# Altium PCB mantarray_beta_drv425_Mounting_Holes.PcbDoc (part 1 of 5) (continued)
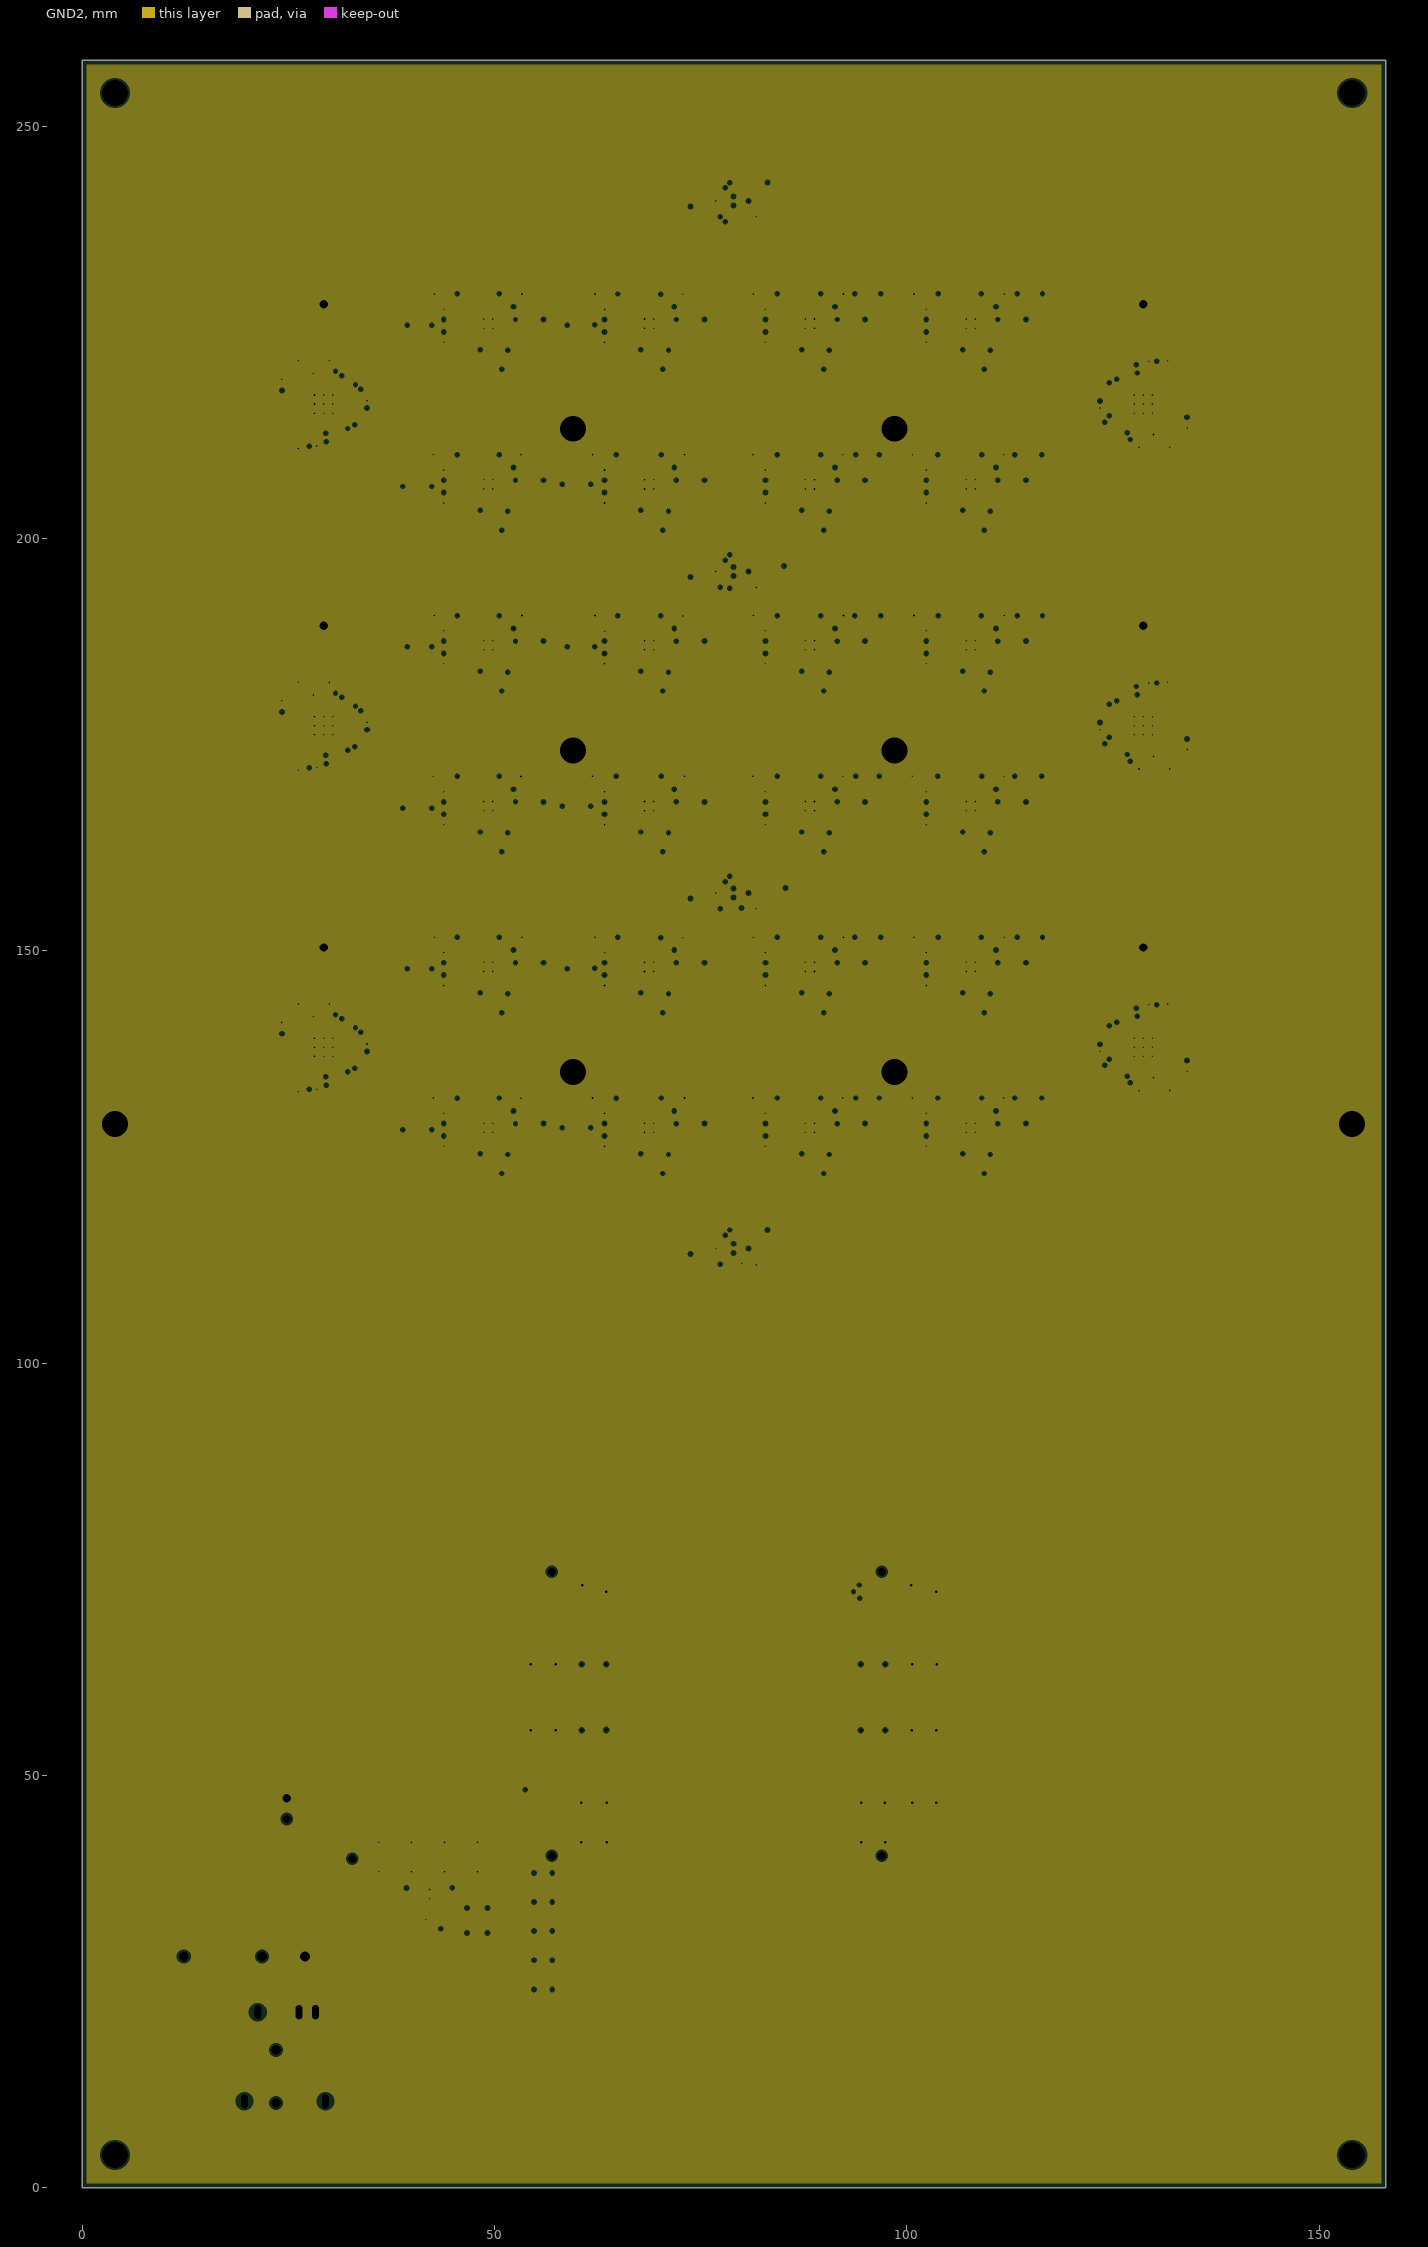
[diagram p4: GND2, clearances drawn from the general rule]
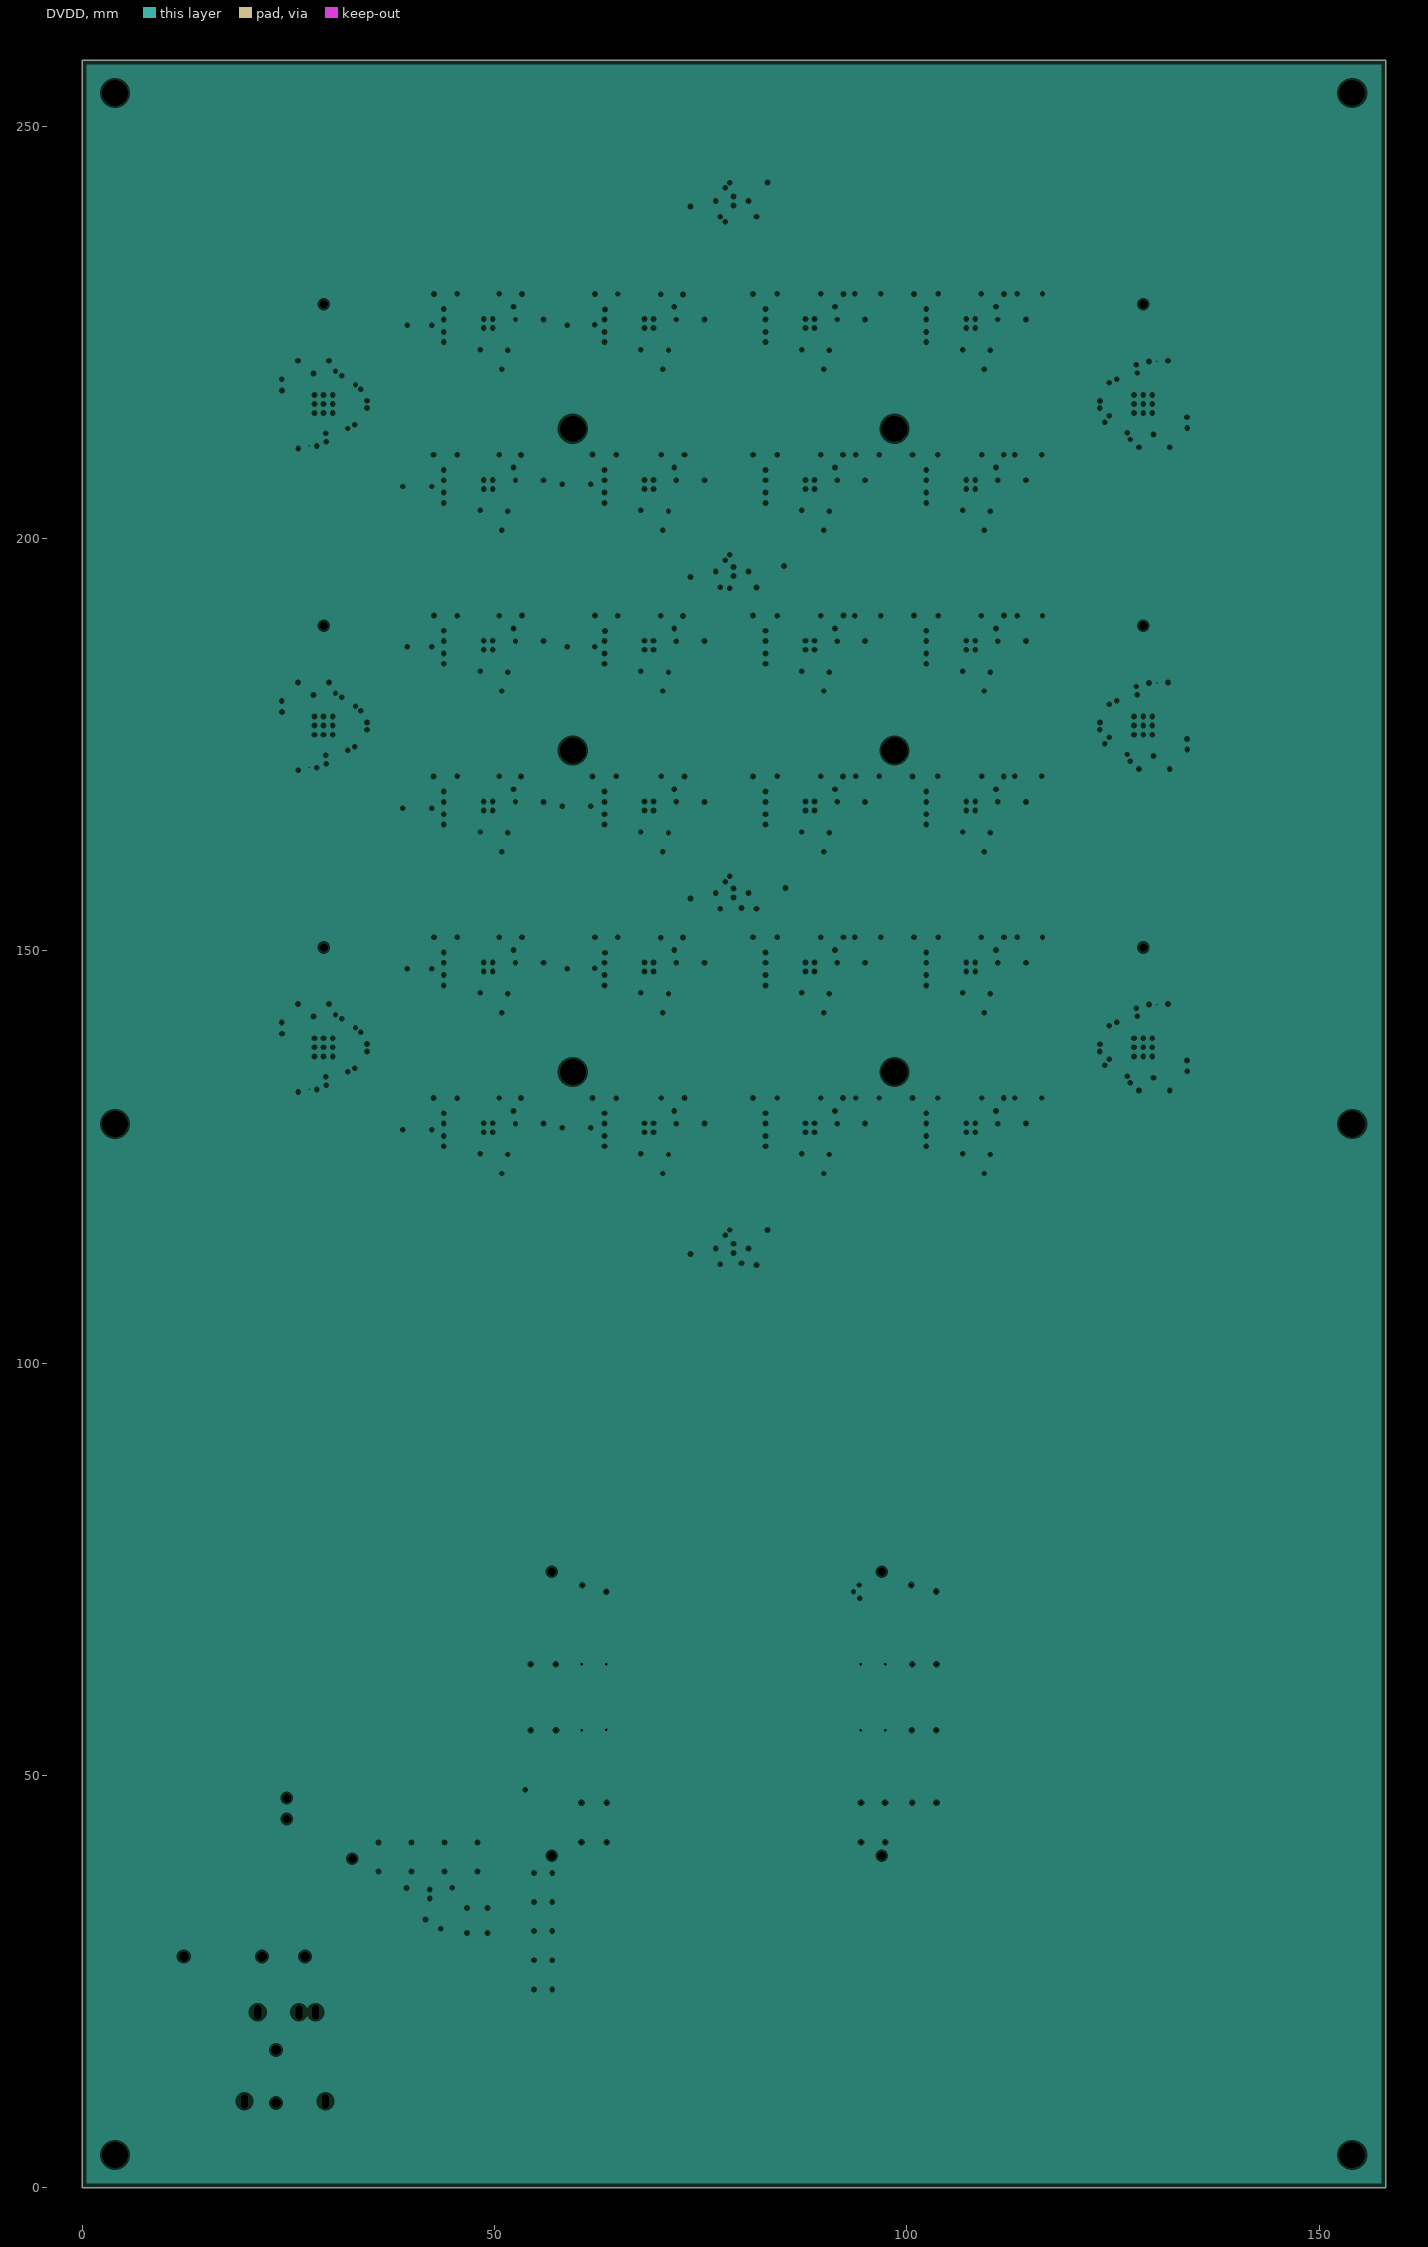
[diagram p5: DVDD, clearances drawn from the general rule]
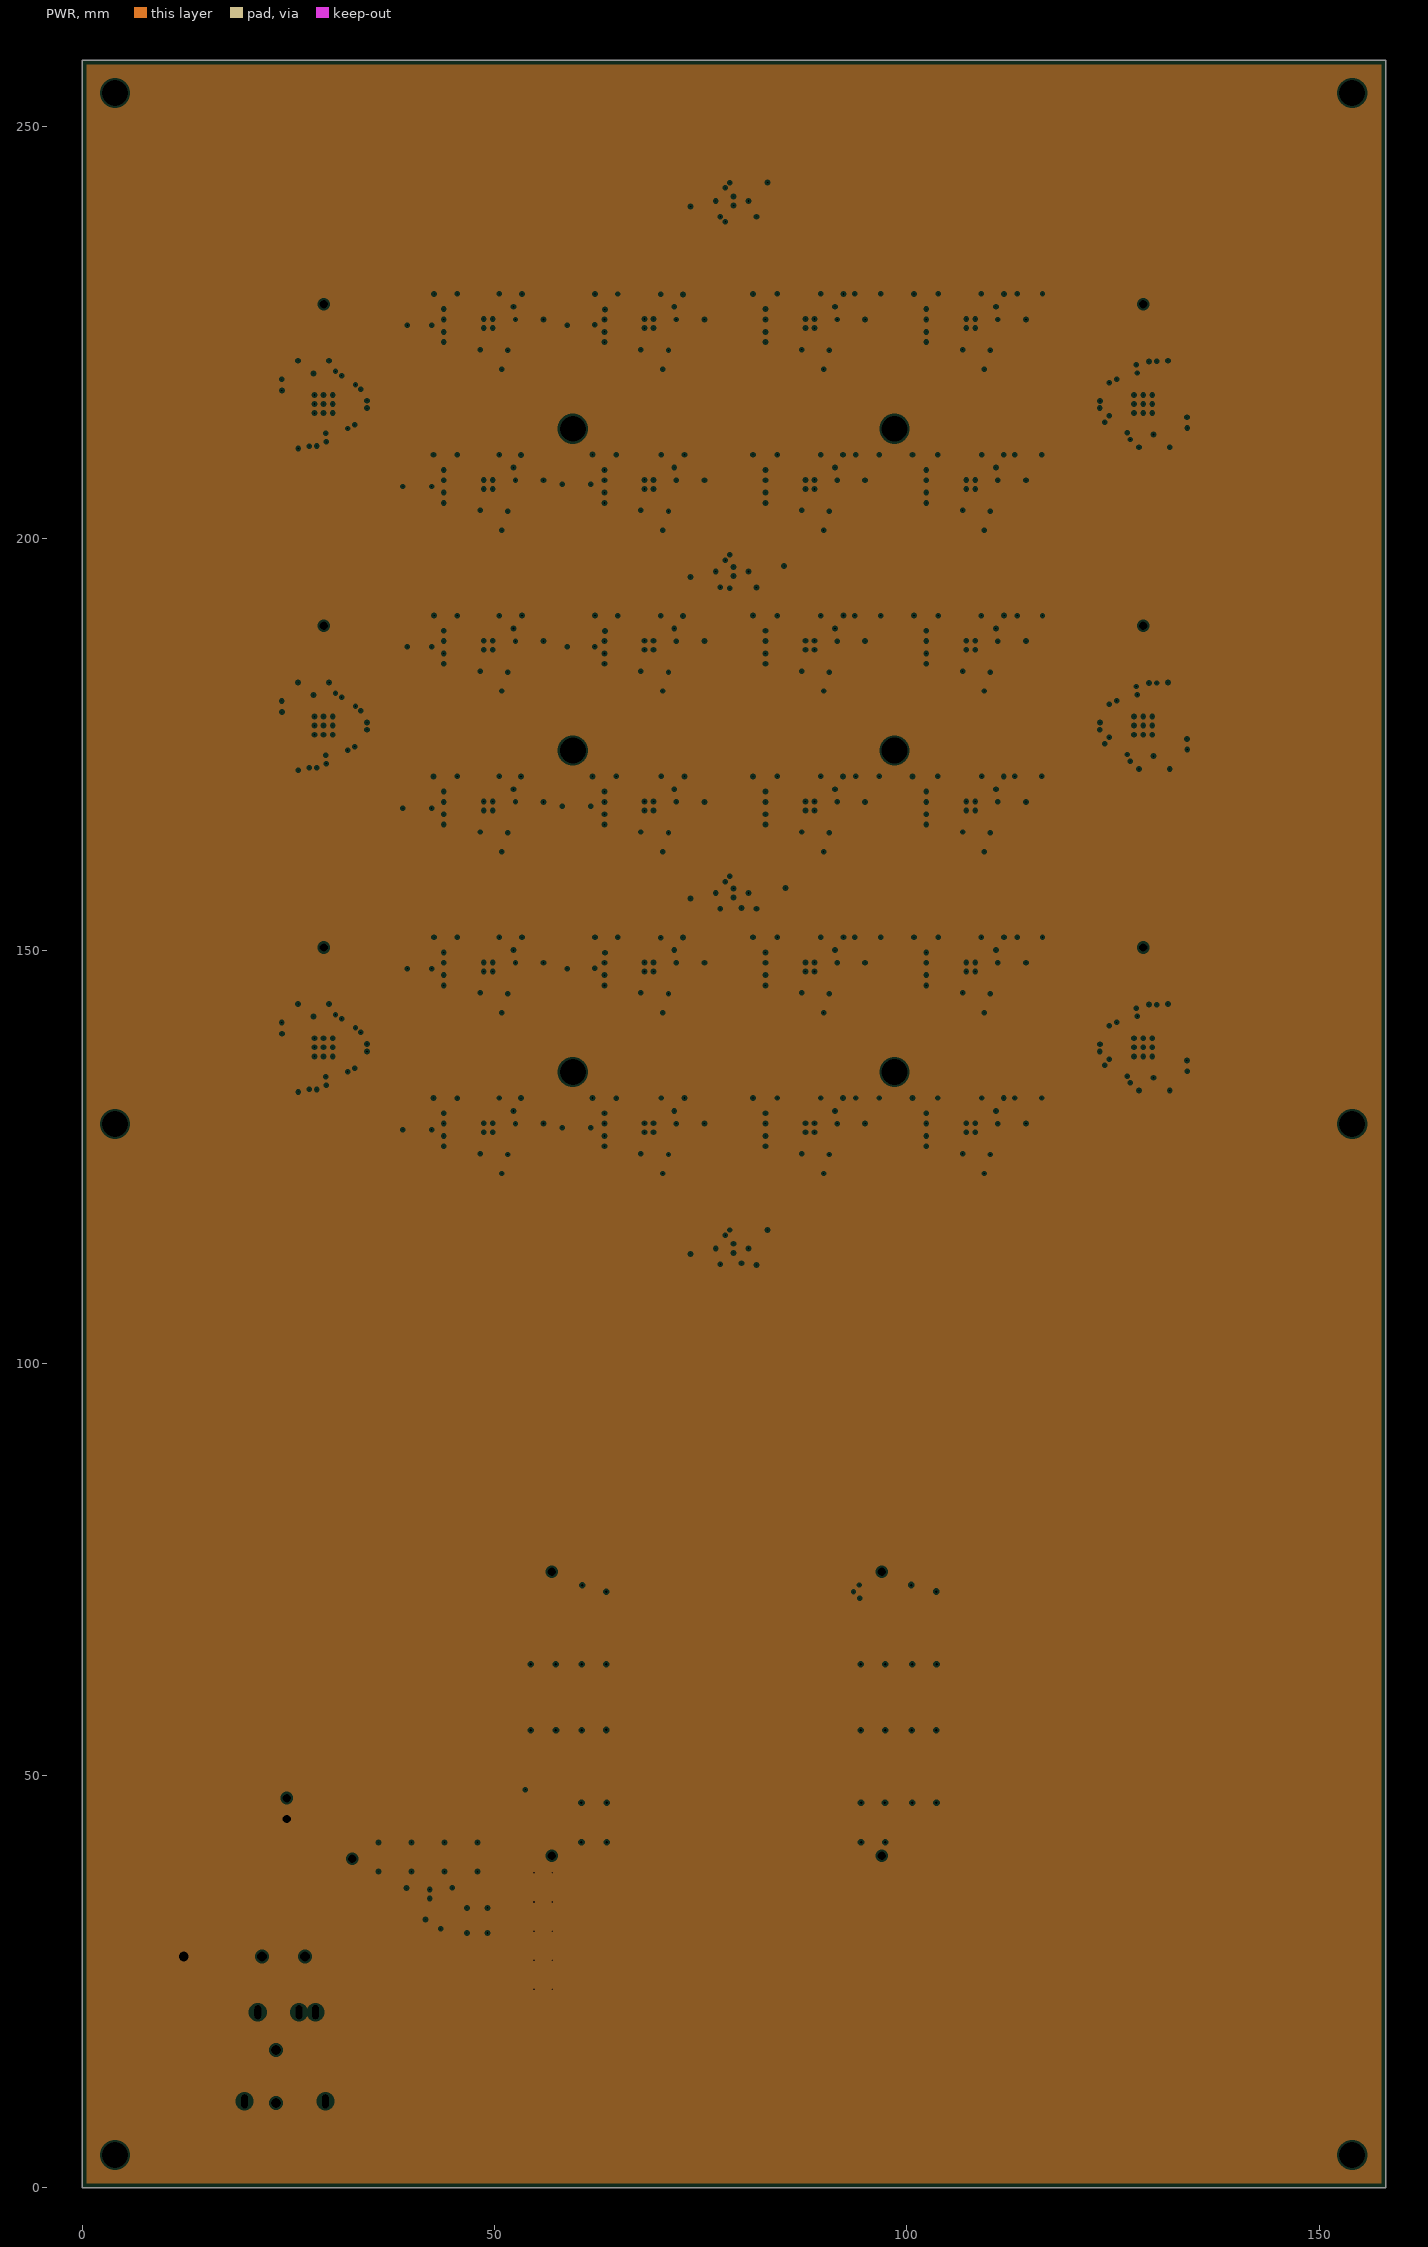
[diagram p6: PWR, clearances drawn from the general rule]
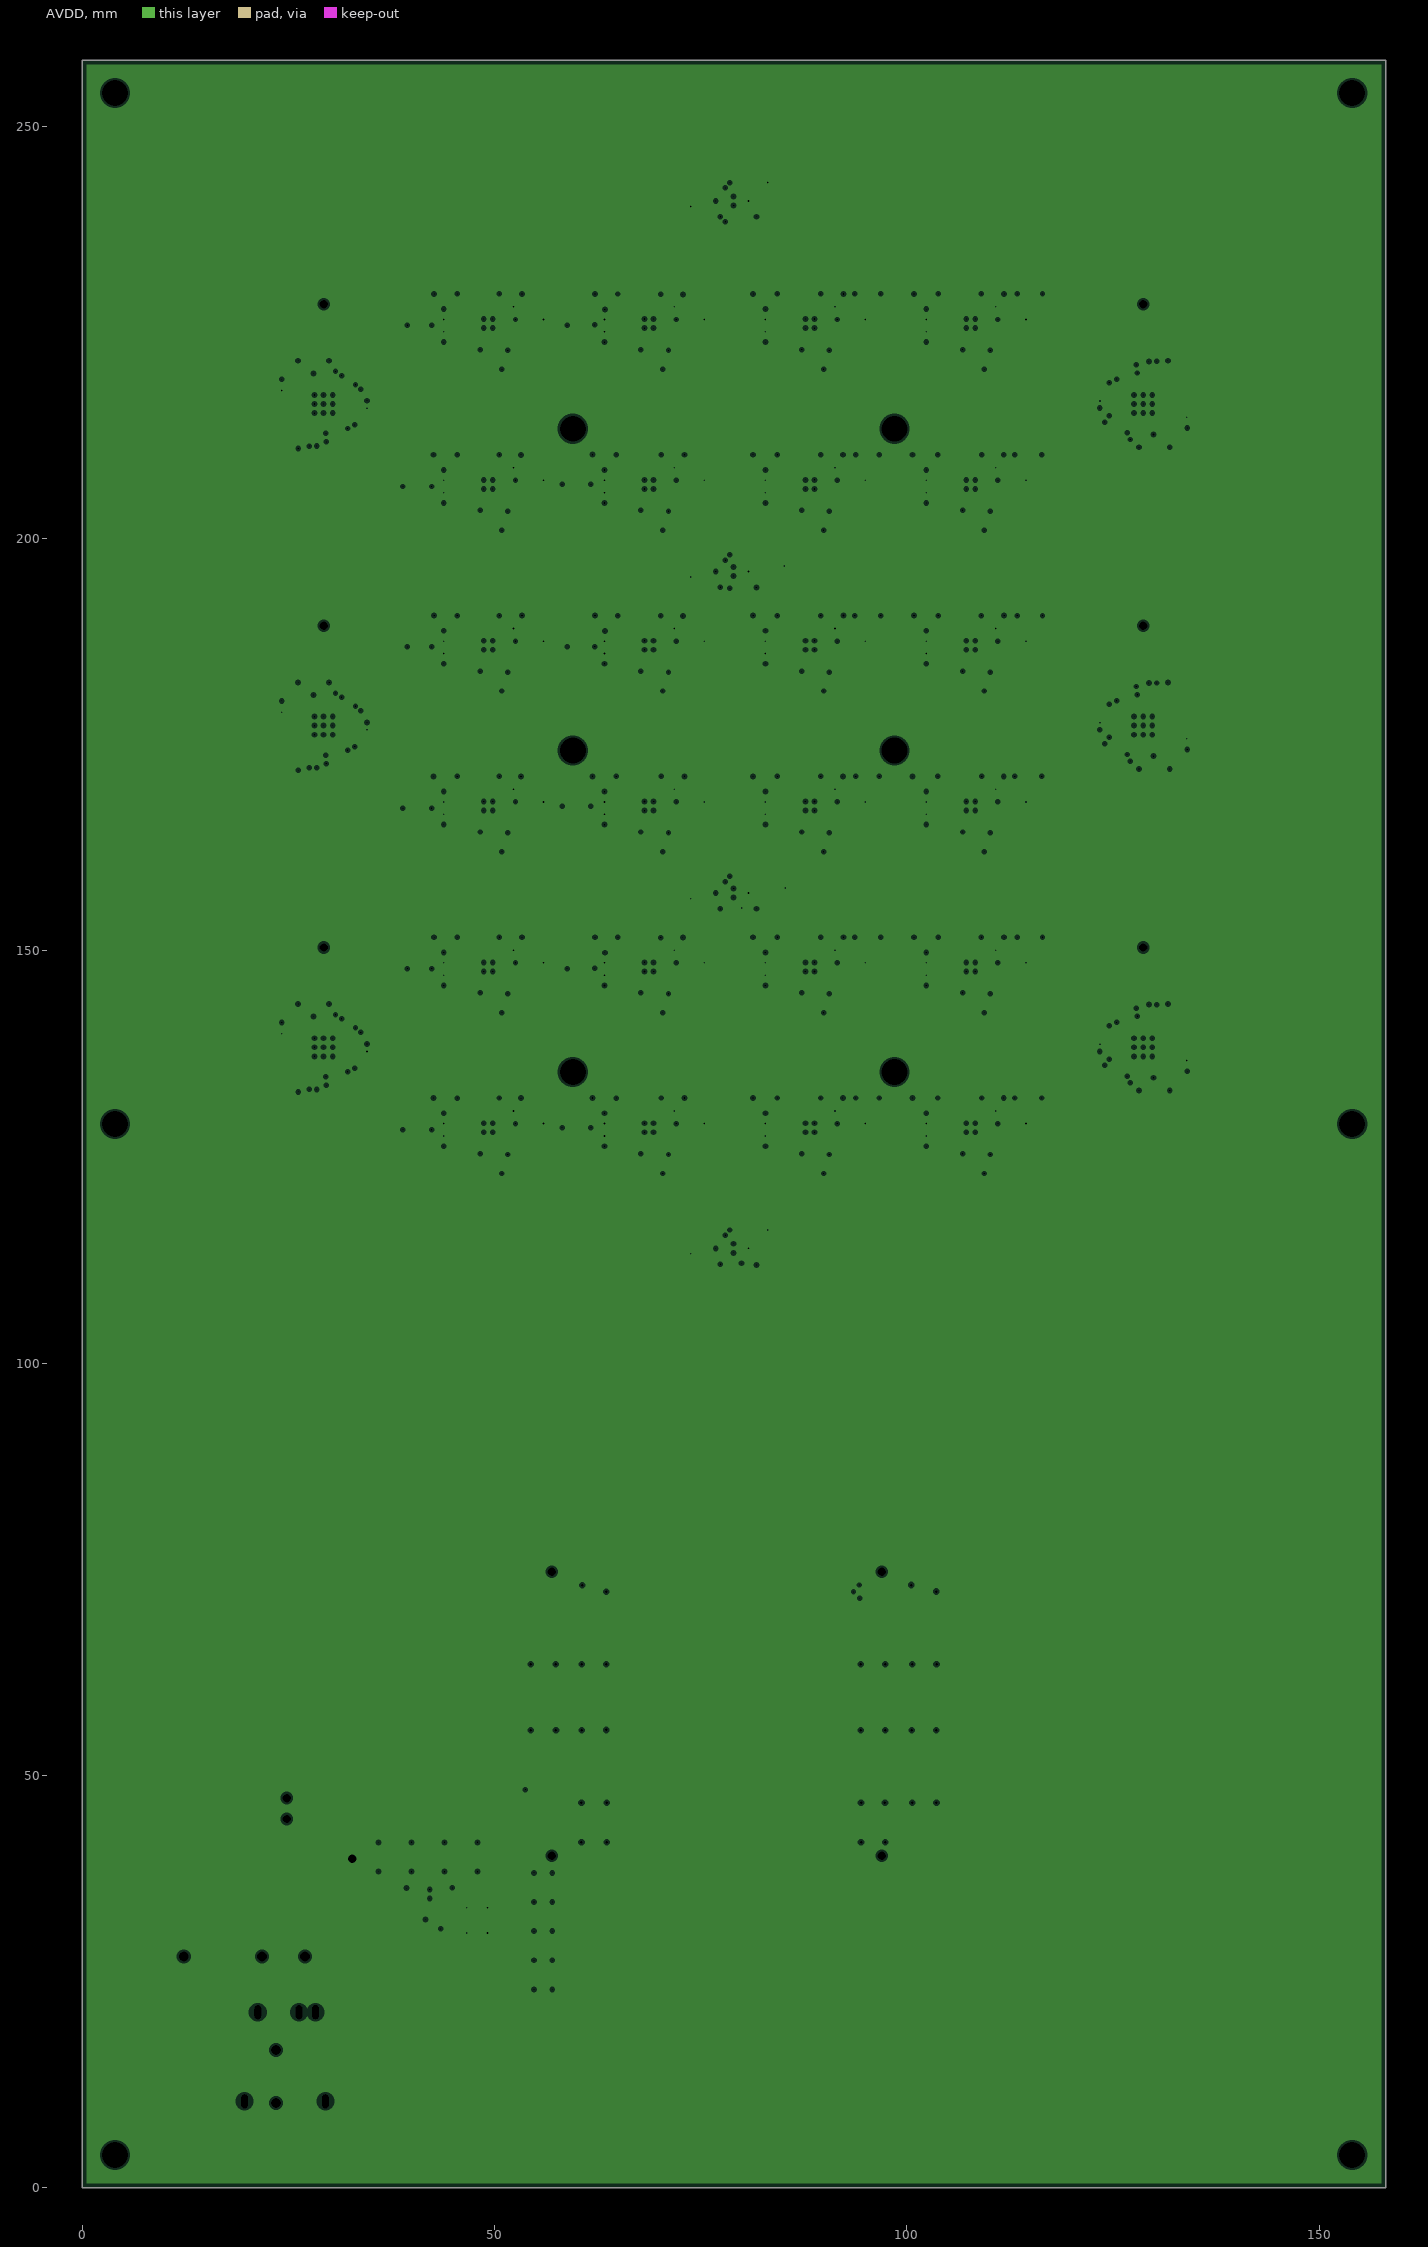
[diagram p7: AVDD, clearances drawn from the general rule]

## Layer stack, top to bottom
Top Solder: solder mask 0.013, Solder Resist, Dk 3.5
Top Layer: signal copper 0.035
Dielectric 4: prepreg 0.12, 2116, Dk 4.5
GND1: plane copper 0.035, net GND
Dielectric 2: core 0.23, Core-027, Dk 4.6
Signal 1: signal copper 0.035
Dielectric 1: prepreg 0.2, 7630, Dk 4.7
GND2: plane copper 0.035, net GND
Dielectric 6: core 0.23, Core-009, Dk 4.6
DVDD: plane copper 0.035, net DVDD
Dielectric 7: prepreg 0.2, 7630, Dk 4.7
PWR: plane copper 0.035, net +5V
Dielectric 3: core 0.23, Core-027, Dk 4.6
AVDD: plane copper 0.035, net AVDD
Dielectric 5: prepreg 0.12, 2116, Dk 4.5
GND3: signal copper 0.035
Bottom Solder: solder mask 0.013, Solder Resist, Dk 3.5

## Board outline
0,0 0,258 158.05,258 158.05,0

## Design rules (kind name [scope] priority, off if disabled: settings)
Clearance "Clearance SPI CMOS" [InNetClass('SPI CMOS') vs InNetClass('SPI CMOS')] p1: gap=0.127 ignorepadtopadclearanceinfootprint=TRUE
Clearance [All] p2: gap=0.127 ignorepadtopadclearanceinfootprint=FALSE
DiffPairsRouting [All] p1: maxlimit=1.27 minlimit=0.127 mostfreqgap=0.127 toplayer_minwidth=0.127 toplayer_maxwidth=0.254 toplayer_prefwidth=0.127 midlayer1_minwidth=0.127 midlayer1_maxwidth=0.254 midlayer1_prefwidth=0.127 bottomlayer_minwidth=0.127 bottomlayer_maxwidth=0.254 bottomlayer_prefwidth=0.127 maxuncoupledlength=25.4
HoleSize [All] p1: absolutevalues=TRUE maxlimit=5.08 minlimit=0.127 maxpercent=80.000 minpercent=20.000
MinimumAnnularRing [All] p1: minimumring=0.1
MinimumSolderMaskSliver SoldermaskSliver_pad [InPadClass('All Pads') vs InPadClass('All Pads')] p1: minsoldermaskwidth=0.025
MinimumSolderMaskSliver [All] p2: minsoldermaskwidth=0.025
PlaneClearance [All] p1: clearance=0.254
PlaneConnect [All] p1: planeconnectstyle=Direct reliefexpansion=0.508 reliefentries=4 reliefconductorwidth=0.254 reliefairgap=0.254
PolygonConnect PolygonConnect_1 [All vs IsNamedPolygon('GND_L01_P047')] p1: thpad.connectstyle=Direct thpad.reliefconductorwidth=0.254 thpad.reliefentries=4 thpad.polygonreliefangle="90 Angle" thpad.airgapwidth=0.254 smdpad.connectstyle=Direct smdpad.reliefconductorwidth=0.254 smdpad.reliefentries=4 smdpad.polygonreliefangle="90 Angle" smdpad.airgapwidth=0.254 via.connectstyle=Relief via.reliefconductorwidth=0.254 via.reliefentries=4 via.polygonreliefangle="90 Angle" via.airgapwidth=0.254
PolygonConnect [All] p2: connectstyle=Direct reliefconductorwidth=0.254 reliefentries=4 polygonreliefangle="90 Angle" airgapwidth=0.254
RoomDefinition BRD1 [InComponentClass('BRD1')] p1: confinementstyle=ConfineIn formatcopy=TRUE lockcomponents=FALSE outline 2.55,8 53.35,8 53.35,33.4 2.55,33.4
RoomDefinition CH5 [InComponentClass('CH5')] p2: confinementstyle=ConfineIn formatcopy=TRUE lockcomponents=FALSE outline 79,232.8 21.25,232.8 21.25,193.8 79,193.8
RoomDefinition CH4 [InComponentClass('CH4')] p3: confinementstyle=ConfineIn formatcopy=TRUE lockcomponents=TRUE outline 79,193.8 21.25,193.8 21.25,154.8 79,154.8
RoomDefinition TMP0 [InComponentClass('TMP0')] p4: confinementstyle=ConfineIn formatcopy=TRUE lockcomponents=FALSE outline 68.232,110.2 87.082,110.2 87.082,120.461 68.232,120.461
RoomDefinition TMP3 [InComponentClass('TMP3')] p5: confinementstyle=ConfineIn formatcopy=TRUE lockcomponents=FALSE outline 69.05,237.25 87.9,237.25 87.9,244.45 69.05,244.45
RoomDefinition TMP2 [InComponentClass('TMP2')] p6: confinementstyle=ConfineIn formatcopy=TRUE lockcomponents=FALSE outline 71.3,193.2 85.7,193.2 85.7,198.75 71.3,198.75
RoomDefinition TMP1 [InComponentClass('TMP1')] p7: confinementstyle=ConfineIn formatcopy=TRUE lockcomponents=FALSE outline 68.85,154.55 87.65,154.55 87.65,159.8 68.85,159.8
RoomDefinition CH1 [InComponentClass('CH1')] p8: confinementstyle=ConfineIn formatcopy=TRUE lockcomponents=FALSE outline 79,154.8 138.05,154.8 138.05,193.8 79,193.8
RoomDefinition CH3 [InComponentClass('CH3')] p9: confinementstyle=ConfineIn formatcopy=TRUE lockcomponents=TRUE outline 79,154.8 21.25,154.8 21.25,115.8 79,115.8
RoomDefinition CH2 [InComponentClass('CH2')] p10: confinementstyle=ConfineIn formatcopy=TRUE lockcomponents=TRUE outline 79,115.8 138.05,115.8 138.05,154.8 79,154.8
RoomDefinition AVDD [InComponentClass('AVDD')] p11: confinementstyle=ConfineIn formatcopy=TRUE lockcomponents=FALSE outline 33.45,29.3 50.75,29.3 50.75,43.15 33.45,43.15
RoomDefinition CH0 [InComponentClass('CH0')] p12: confinementstyle=ConfineIn formatcopy=TRUE lockcomponents=TRUE outline 79,193.8 138.05,193.8 138.05,232.8 79,232.8
RoutingVias PowerVias [InNetClass('POWER')] p1: holewidth=0.203 width=0.508 viastyle="Through Hole" minholewidth=0.203 minwidth=0.508 maxholewidth=0.203 maxwidth=1.27
RoutingVias [All] p2: holewidth=0.127 width=0.457 viastyle="Through Hole" minholewidth=0.127 minwidth=0.457 maxholewidth=0.5 maxwidth=1
SilkToSolderMaskClearance [IsPad] p1: minsilkscreentomaskgap=0.127 clearancetoexposedcopper=TRUE
SolderMaskExpansion [All] p1: expansion=0.127 istentingtop=FALSE
Width [All] p1: maxlimit=2 minlimit=0.127 preferedwidth=0.127
Width "SPI routing" [InNetClass('SPI CMOS')] p2: maxlimit=0.127 minlimit=0.127 preferedwidth=0.127
Width "Power width" [InNetClass('POWER')] p3: maxlimit=1.016 minlimit=0.203 preferedwidth=0.203
23 further rules are at their usual default settings.

## Classes and differential pairs
channel class TMP117: TMP0 TMP1 TMP2 TMP3
component class AVDD: C71 C72 C73 U14
component class TMP3: C77D R46D R47D U16D
component class TMP2: C77C R46C R47C U16C
component class TMP1: C77B R46B R47B U16B
component class TMP0: C77A R46A R47A U16A
component class mantarray_beta_drv425: J1 P1 QC1 QC2 QC3 TP1 TP2 TP3
channel class AnalogChannel_L: CH3 CH4 CH5
net class "SPI CMOS": ALERT_T CLK_0 CLK_1 CLK_2 CLK_3 CLK_4 CLK_5 CS_B_0 CS_B_1 CS_B_2 CS_B_3 CS_B_4 CS_B_5 CS_B_DAC EN_3p3V EN_AVDD FAULT_0 FAULT_1 MISO_0 MISO_1 MISO_2 MISO_3 MISO_4 MISO_5 MOSI_0 MOSI_1 MOSI_2 MOSI_3 MOSI_4 MOSI_5 MOSI_DAC RST_B_DAC SB_B_DAC SCL_T SCLK_0 SCLK_1 SCLK_2 SCLK_3 SCLK_4 SCLK_5 SCLK_DAC SDA_T SYNC_B_0 SYNC_B_1 SYNC_B_2 SYNC_B_3 SYNC_B_4 SYNC_B_5
channel class AnalogChannel_R: CH0 CH1 CH2
component class CH0: C1A C2A C3A C4A C5A C6A C7A C8A C9A C10A C16A C17A C18A C19A C20A C21A C22A C23A C24A C25A C26A C27A C28A C29A C30A C31A C32A CH1 CH6 CH9 CH12 CH15 CH16 CH21 CH24 CH27 CH30 CH35 CH36 CH39 CH42 CH45 CH48 CH51 CH54 CH57 CH60 CH63 CH66 CH69 CH72 CH75 CH80 CH81 CH84 CH87 CH90 CH93 R1A R2A R3A R4A R5A R6A R7A R8A R13A R14A R15A R16A R17A R18A R19A R20A U1A U2A U4A U5A U6A
component class CH5: C39C C40C C41C C42C C43C C44C C45C C46C C47C C48C C54C C55C C56C C57C C58C C59C C60C C61C C62C C63C C64C C65C C66C C67C C68C C69C C70C CH0 CH5 CH8 CH11 CH14 CH18 CH20 CH23 CH26 CH29 CH33 CH34 CH38 CH41 CH44 CH47 CH50 CH53 CH56 CH59 CH62 CH65 CH68 CH71 CH74 CH78 CH79 CH83 CH86 CH89 CH92 R23C R24C R25C R26C R27C R28C R29C R30C R35C R36C R37C R38C R39C R40C R41C R42C U8C U9C U11C U12C U13C
component class CH1: C1B C2B C3B C4B C5B C6B C7B C8B C9B C10B C16B C17B C18B C19B C20B C21B C22B C23B C24B C25B C26B C27B C28B C29B C30B C31B C32B CH5 CH7 CH10 CH13 CH17 CH19 CH22 CH25 CH28 CH31 CH32 CH37 CH40 CH43 CH46 CH49 CH52 CH55 CH58 CH61 CH64 CH67 CH70 CH73 CH76 CH77 CH82 CH85 CH88 CH91 R1B R2B R3B R4B R5B R6B R7B R8B R13B R14B R15B R16B R17B R18B R19B R20B U1B U2B U4B U5B U6B
component class CH4: C1_CH2 C2_CH2 C3_CH2 C4_CH2 C5_CH2 C6_CH2 C7_CH2 C8_CH2 C9_CH2 C10_CH2 C11_CH2 C12_CH2 C13_CH2 C14_CH2 C15_CH2 C16_CH2 C17_CH2 C18_CH2 C19_CH2 C20_CH2 C21_CH2 C22_CH2 C23_CH2 C24_CH2 C25_CH2 C39B C40B C41B C42B C43B C44B C45B C46B C47B C48B C54_CH2 C54B C55_CH2 C55B C56_CH2 C56B C57_CH2 C57B C58_CH2 C58B C59_CH2 C59B C60B C61B C62B C63B C64B C65B C66B C67B C68B C69B C70B CH94 CH95 CH100 CH103 CH106 CH107 CH112 CH115 CH118 CH119 CH124 CH127 CH130 CH133 CH136 CH139 CH142 CH143 CH148 CH151 CH152 CH157 CH158 CH163 CH166 CH169 CH172 CH175 CH178 CH181 CH184 R23B R24B R25B R26B R27B R28B R29B R30B R35B R36B R37B R38B R39B R40B R41B R42B U1_CH2 U2_CH2 U3_CH2 U4_CH2 U5_CH2 U6_CH2 U8B U9B U11B U12B U13B
component class CH2: C1_CH1 C1C C2_CH1 C2C C3_CH1 C3C C4_CH1 C4C C5_CH1 C5C C6_CH1 C6C C7_CH1 C7C C8_CH1 C8C C9_CH1 C9C C10_CH1 C10C C11_CH1 C12_CH1 C13_CH1 C14_CH1 C15_CH1 C16_CH1 C16C C17_CH1 C17C C18_CH1 C18C C19_CH1 C19C C20_CH1 C20C C21_CH1 C21C C22_CH1 C22C C23_CH1 C23C C24_CH1 C24C C25_CH1 C25C C26C C27C C28C C29C C30C C31C C32C C54_CH1 C55_CH1 C56_CH1 C57_CH1 C58_CH1 C59_CH1 CH96 CH97 CH101 CH104 CH108 CH109 CH113 CH116 CH120 CH121 CH125 CH128 CH131 CH134 CH137 CH140 CH144 CH145 CH149 CH153 CH154 CH159 CH160 CH164 CH167 CH170 CH173 CH176 CH179 CH182 CH185 R1C R2C R3C R4C R5C R6C R7C R8C R13C R14C R15C R16C R17C R18C R19C R20C U1_CH1 U1C U2_CH1 U2C U3_CH1 U4_CH1 U4C U5_CH1 U5C U6_CH1 U6C
component class CH3: C1_CH0 C2_CH0 C3_CH0 C4_CH0 C5_CH0 C6_CH0 C7_CH0 C8_CH0 C9_CH0 C10_CH0 C11_CH0 C12_CH0 C13_CH0 C14_CH0 C15_CH0 C16_CH0 C17_CH0 C18_CH0 C19_CH0 C20_CH0 C21_CH0 C22_CH0 C23_CH0 C24_CH0 C25_CH0 C39A C40A C41A C42A C43A C44A C45A C46A C47A C48A C54_CH0 C54A C55_CH0 C55A C56_CH0 C56A C57_CH0 C57A C58_CH0 C58A C59_CH0 C59A C60A C61A C62A C63A C64A C65A C66A C67A C68A C69A C70A CH98 CH99 CH102 CH105 CH110 CH111 CH114 CH117 CH122 CH123 CH126 CH129 CH132 CH135 CH138 CH141 CH146 CH147 CH150 CH155 CH156 CH161 CH162 CH165 CH168 CH171 CH174 CH177 CH180 CH183 CH186 R23A R24A R25A R26A R27A R28A R29A R30A R35A R36A R37A R38A R39A R40A R41A R42A U1_CH0 U2_CH0 U3_CH0 U4_CH0 U5_CH0 U6_CH0 U8A U9A U11A U12A U13A